# KiCad board boatcontrol.kicad_pcb (continued)
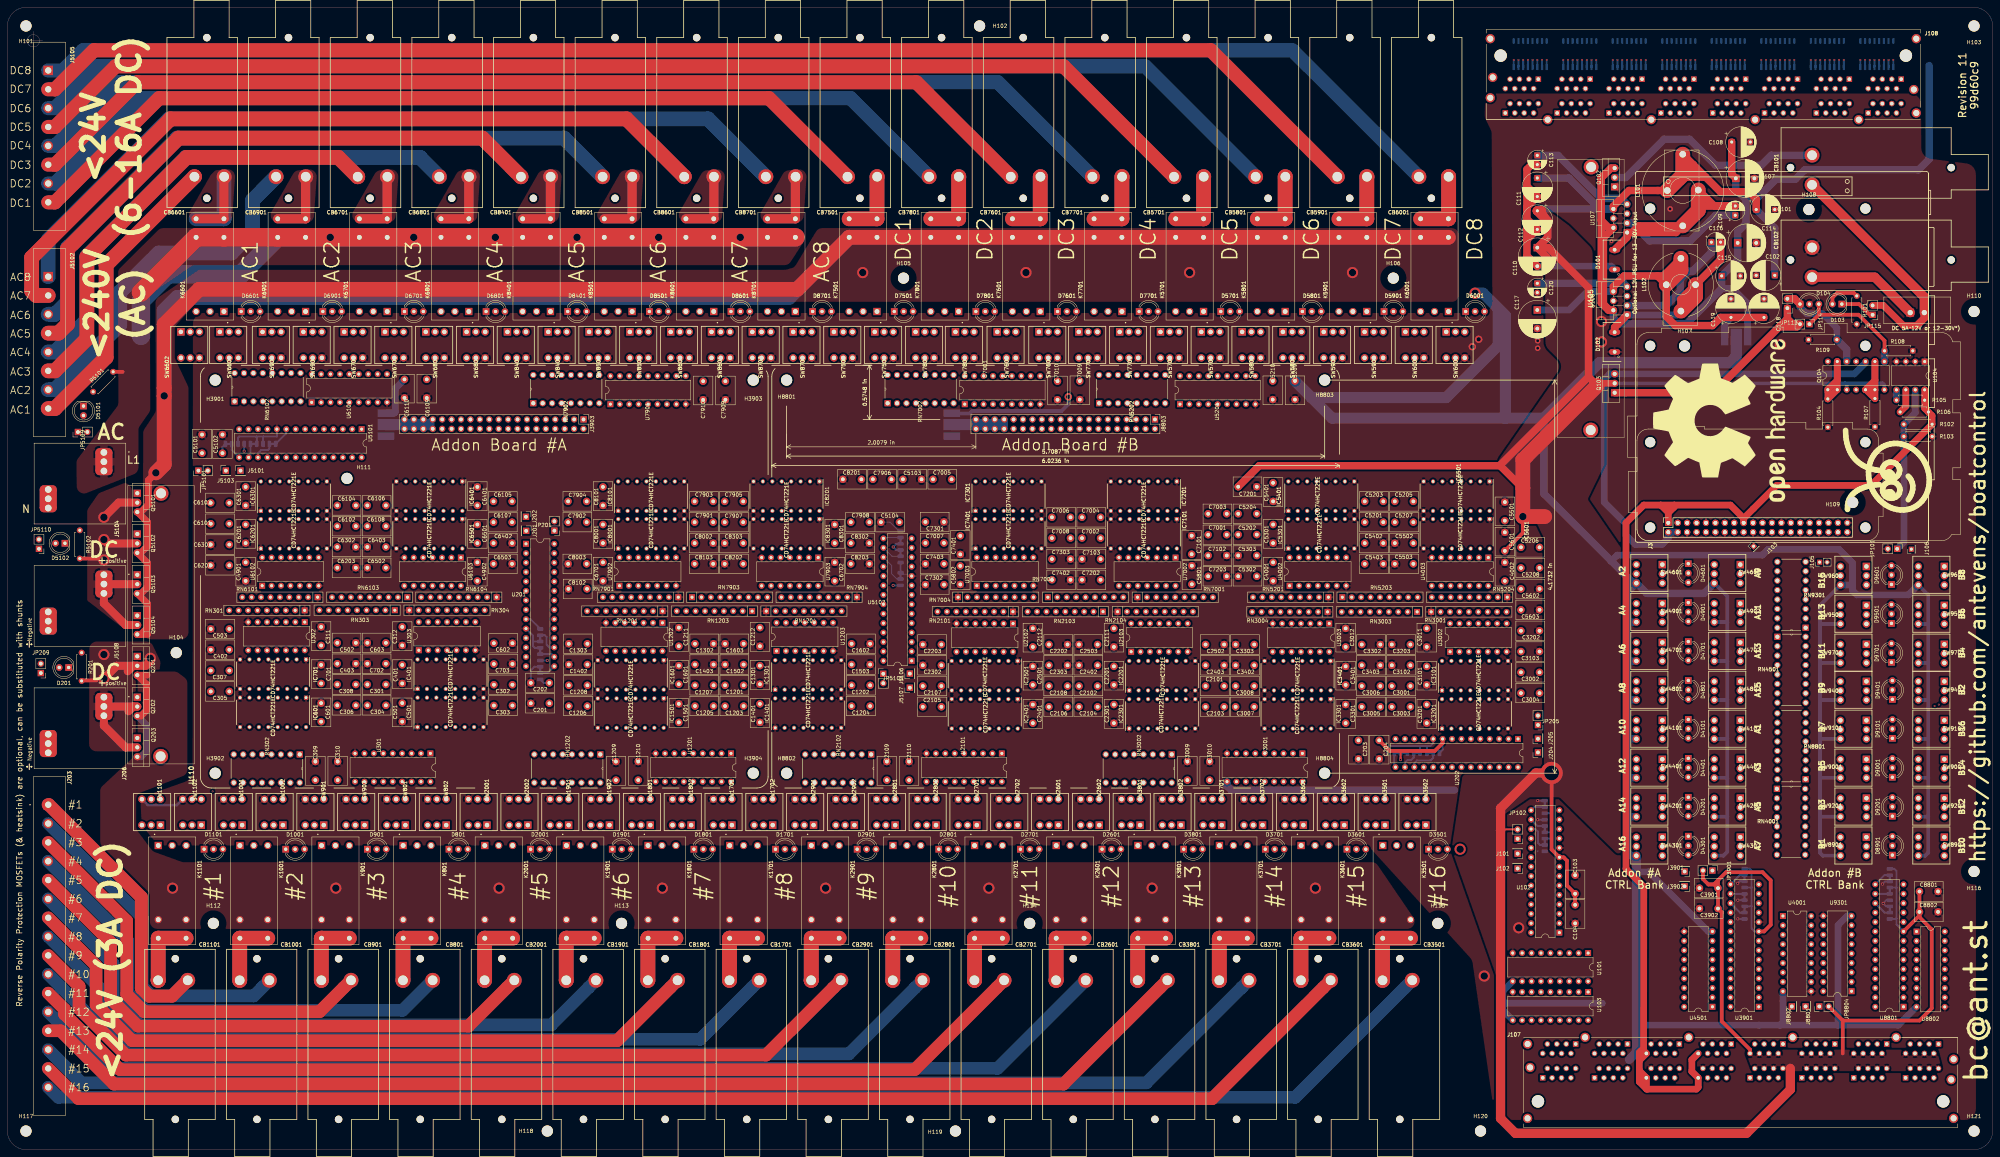
[diagram p0: board, top side]
## Routing (per net, layer and track width the routed paths; a pad name or vN(x,y) marks a point on that pad's centre or on a via; arc(x,y) is an arc through that point) (continued)
/12V DC Common Bank/12V DC Block 4/3AC3/OFF_LED: length 67.6
  In2.Cu w0.25: D3601.3 364.8,82.28 359.8,82.28 358.17,80.65 347.37,80.65 347.3,80.72 347.3,81.83 339.26,89.88 330.38,89.88 329.38,90.88 320.54,90.88 318.04,93.38 318.04,94.75 316.91,95.88 312.9,95.88 311.54,97.23 310.41,97.23 RN3002.14
/12V DC Common Bank/12V DC Block 4/3AC3/OFF_TO_ON: length 16.5
  In1.Cu w1: SW3602.1 360.25,87.59 355.09,92.75 348.5,92.75 SW3601.5
/12V DC Common Bank/12V DC Block 4/3AC3/ON: length 18.3
  In1.Cu w0.25: U3001.16 346.76,96.38 358.37,96.38 SW3602.4
/12V DC Common Bank/12V DC Block 4/3AC3/ON_COIL: length 58.1
  In1.Cu w1: K3601.1 346.75,83.9 SW3601.2
  In2.Cu w0.25: SW3601.2 343.87,90.38 330.59,90.38 329.59,91.38 320.75,91.38 318.54,93.58 318.54,94.95 317.12,96.38 313.1,96.38 311.75,97.73 310.66,97.73 310.03,98.36 310.03,102.7 RN3002.4
/12V DC Common Bank/12V DC Block 4/3AC3/ON_LED: length 64.4
  In2.Cu w0.25: D3601.1 359.85,81 359,80.15 347.17,80.15 346.8,80.52 346.8,81.63 339.05,89.38 330.17,89.38 329.17,90.38 320.33,90.38 317.83,92.88 310.84,92.88 309.87,93.84 309.87,94.75 306.16,98.46 RN3002.13
/12V DC Common Bank/12V DC Block 4/3AC3/ON_TO_OFF: length 23.9
  In1.Cu w1: SW3601.1 351.25,87.5 353,85.75 361.85,85.75 362,85.9 362,90.25 SW3602.5
/12V DC Common Bank/12V DC Block 4/3AC3/TO_FUSE: length 37.7
  Top w4: CB3601.P1 348.6,56.95 K3601.4 K3601.5
  Bottom w4: K3601.5 K3601.4 348.6,56.95 CB3601.P1
/12V DC Common Bank/12V DC Block 4/3AC4/DISABLED_INDICATOR: length 12.4
  In1.Cu w1: SW3501.3 368,89.25 375.5,89.25 SW3502.3
/12V DC Common Bank/12V DC Block 4/3AC4/OFF: length 26.7
  In1.Cu w0.25: SW3501.4 368.87,96.88 348.8,96.88 U3001.17
/12V DC Common Bank/12V DC Block 4/3AC4/OFF_COIL: length 82.2
  In2.Cu w0.25: SW3502.2 379.75,89.96 373.34,96.38 329.78,96.38 327.5,98.65 327.5,98.87 324.87,101.51 317.75,101.51 313.78,105.48 RN3002.1
  In2.Cu w1: SW3502.2 379.75,83.6 K3501.8
/12V DC Common Bank/12V DC Block 4/3AC4/OFF_LED: length 84.8
  In1.Cu w0.25: D3501.3 386.7,82.38 381.9,82.38 v4(380.64,81.11)
  In2.Cu w0.25: RN3002.16 314.83,97.9 317.71,97.9 320.04,95.57 320.04,94.2 321.37,92.88 330.21,92.88 330.58,92.5 340.1,92.5 340.38,92.78 341.12,92.78 342.52,91.38 359.76,91.38 363.5,87.63 363.5,86.52 369.37,80.65 380.17,80.65 v4(380.64,81.11)
/12V DC Common Bank/12V DC Block 4/3AC4/OFF_TO_ON: length 16.4
  In1.Cu w1: SW3501.5 370.5,92.75 377,92.75 SW3502.1
/12V DC Common Bank/12V DC Block 4/3AC4/ON: length 35.2
  In1.Cu w0.25: U3001.18 350.84,97.38 379.37,97.38 SW3502.4
/12V DC Common Bank/12V DC Block 4/3AC4/ON_COIL: length 72.7
  In1.Cu w1: SW3501.2 368.75,83.9 K3501.1
  In2.Cu w0.25: RN3002.2 316.8,101 316.81,101.01 324.66,101.01 327,98.66 327,98.44 329.57,95.88 361.79,95.88 368.75,88.91 SW3501.2
/12V DC Common Bank/12V DC Block 4/3AC4/ON_LED: length 81.3
  In2.Cu w0.25: D3501.1 381.85,81 381,80.15 369.17,80.15 363,86.32 363,87.43 359.55,90.88 330.79,90.88 329.79,91.88 320.95,91.88 319.04,93.79 319.04,95.16 317.32,96.88 313.31,96.88 RN3002.15
/12V DC Common Bank/12V DC Block 4/3AC4/ON_TO_OFF: length 23.9
  In1.Cu w1: SW3502.5 384,90.25 384,85.9 383.85,85.75 375,85.75 373.25,87.5 SW3501.1
/12V DC Common Bank/12V DC Block 4/3AC4/TO_FUSE: length 37.7
  Top w4: K3501.5 K3501.4 370.6,56.95 CB3501.P1
  Bottom w4: K3501.5 K3501.4 370.6,56.95 CB3501.P1
/12V DC Common Bank/12V DC Block 4/DIG_OFF_C1: length 48.7
  In1.Cu w0.25: U3002.4 395.53,133.36 395.53,131.22 390.5,126.2 v4(390.5,115.1) ; U202.22 391.85,103.14 v4(391.85,105.5)
  In2.Cu w0.25: U3002.4 392.6,138.07 392.6,143.72 RN3001.4 ; v4(391.85,105.5) 393.1,106.75 393.1,111.5 392.45,112.15 391.4,112.15 390.5,113.05 v4(390.5,115.1)
/12V DC Common Bank/12V DC Block 4/DIG_OFF_C2: length 78.9
  In1.Cu w0.25: U202.24 v4(401.49,107.66) ; U3002.12 395.15,143.14 395.15,145.75 395.75,146.35 402.67,146.35 RN3001.9
  In2.Cu w0.25: v4(401.49,107.66) 408.14,107.66 409.2,108.72 409.2,116.97 410.21,117.97 410.21,134.88 407.94,137.15 401.85,137.15 397.7,141.3 397.7,142.35 399.05,143.7 402.72,143.7 RN3001.9
/12V DC Common Bank/12V DC Block 4/DIG_OFF_C3: length 104.3
  In1.Cu w0.25: U202.26 405.41,106.5 405.85,106.5 409,109.65 409,112.82 v4(408.29,113.54) ; RN3004.4 348.61,144.55 U3003.4 350.01,140.45 357.11,140.45 359.06,142.4 365.86,142.4 368,140.26 368,124.26 371.73,120.53 v4(371.73,116.62)
  In2.Cu w0.25: v4(408.29,113.54) 404.95,116.88 399.2,116.88 398.04,118.03 385.51,118.03 384.61,117.12 381.88,117.12 380.51,115.75 375.91,115.75 374.41,117.25 372.35,117.25 v4(371.73,116.62)
/12V DC Common Bank/12V DC Block 4/DIG_OFF_C4: length 112.6
  In1.Cu w0.25: U202.28 410,106.01 410,113.67 v4(408.31,115.36) ; v4(376.66,117.22) 375.43,115.99 371.42,115.99 370.64,116.77 363.68,116.77 362.3,118.15 362.3,135.84 361.22,136.93 353.85,136.93 U3003.12
  In2.Cu w0.25: v4(408.31,115.36) 405.8,117.88 399.61,117.88 398.46,119.03 385.1,119.03 384.19,118.12 381.47,118.12 380.09,116.75 377.13,116.75 v4(376.66,117.22) ; U3003.12 349.63,135.75 346.75,135.75 345.8,136.7 345.8,139.58 344.8,140.58 344.8,142.7 344.1,143.4 342.14,143.4 RN3004.7
/12V DC Common Bank/12V DC Block 4/DIG_ON_C1: length 45.6
  In1.Cu w0.25: v4(387.9,115.1) 387.9,132.3 388.8,133.2 U3002.1 ; U202.21 389.35,103.14 v4(389.35,105.5)
  In2.Cu w0.25: U3002.1 388.8,138.7 386.24,141.26 RN3001.2 ; v4(387.9,115.1) 387.9,113.15 388.8,112.25 389.9,112.25 390.6,111.55 390.6,106.75 v4(389.35,105.5)
/12V DC Common Bank/12V DC Block 4/DIG_ON_C2: length 60.8
  In1.Cu w0.25: RN3001.7 401.5,142.44 U3002.9 ; 394.45,103.16 U202.23 v4(398.32,107.03)
  In2.Cu w0.25: U3002.9 405.72,137.65 408.14,137.65 410.71,135.08 410.71,117.77 409.7,116.76 409.7,108.51 408.22,107.03 v4(398.32,107.03)
/12V DC Common Bank/12V DC Block 4/DIG_ON_C3: length 100.8
  In1.Cu w0.25: U202.25 403.37,107 405.64,107 408.5,109.86 408.5,112.4 v4(408.25,112.65) ; RN3004.2 356.23,142.01 U3003.1 357.28,141.85 358.33,142.9 366.07,142.9 368.5,140.47 368.5,124.46 370.86,122.1 373.53,122.1 374.79,120.84 374.79,118.08 373.33,116.62 v4(372.85,116.62)
  In2.Cu w0.25: v4(372.85,116.62) 374.33,116.62 375.7,115.25 380.71,115.25 382.09,116.62 384.81,116.62 385.72,117.53 397.83,117.53 398.99,116.38 404.52,116.38 v4(408.25,112.65)
/12V DC Common Bank/12V DC Block 4/DIG_ON_C4: length 116.8
  In1.Cu w0.25: U202.27 409.5,108.05 409.5,113.25 v4(408.33,114.43) ; U3003.9 343.53,135.36 345.6,137.43 361.43,137.43 362.8,136.05 362.8,118.36 363.76,117.4 v4(371.08,117.4)
  In2.Cu w0.25: RN3004.9 343.53,136.93 U3003.9 ; v4(408.33,114.43) 405.37,117.38 399.4,117.38 398.25,118.53 385.3,118.53 384.4,117.62 381.68,117.62 380.3,116.25 376.11,116.25 374.62,117.75 371.43,117.75 v4(371.08,117.4)
/12V DC Common Bank/12V DC Block 4/MultiVibrator3A1/MUX_OFF: length 97.3
  In1.Cu w0.25: 408.3,116.35 v4(408.35,116.3) 410.76,113.89 410.76,105.03 407.67,101.95 364.91,101.95 357.98,108.88 352.12,108.88 351.25,108.01 347.64,108.01 U3001.2
  In2.Cu w0.25: IC3101.5 398,122.61 398,120.9 399.65,119.25 405.4,119.25 v4(408.35,116.3)
/12V DC Common Bank/12V DC Block 4/MultiVibrator3A1/MUX_ON: length 103.5
  In1.Cu w0.25: U3001.1 350.78,106.83 352.32,108.38 357.78,108.38 364.71,101.45 407.88,101.45 411.26,104.83 411.26,114.32 v4(408.39,117.19)
  In2.Cu w0.25: IC3101.13 400.6,125.41 400.6,120.9 401.75,119.75 405.82,119.75 v4(408.39,117.19)
/12V DC Common Bank/12V DC Block 4/MultiVibrator3A1/R1: length 45.8
  In1.Cu w0.25: C3001.1 376.22,126.88 376.22,139.24 378.55,141.56 378.55,145.7 378.05,146.2 373.5,146.2 RN3003.4
  In2.Cu w0.25: C3001.1 381.15,128.05 387.98,128.05 IC3101.14
/12V DC Common Bank/12V DC Block 4/MultiVibrator3A1/R2: length 57.1
  In1.Cu w0.25: v4(376.01,123.58) 375.22,124.37 375.22,143.56 374.83,143.95 RN3003.3 ; C3002.1 404.19,128.7 IC3101.6
  In2.Cu w0.25: IC3101.6 398.52,123.83 397.14,125.21 385.42,125.21 383.79,123.58 v4(376.01,123.58)
/12V DC Common Bank/12V DC Block 4/MultiVibrator3A1/RC1: length 18.9
  In2.Cu w0.25: IC3101.15 386.04,128.65 376.75,128.65 C3001.2
/12V DC Common Bank/12V DC Block 4/MultiVibrator3A1/RC2: length 13.1
  In1.Cu w0.25: C3002.2 409.85,125.65 403.68,125.65 IC3101.7
/12V DC Common Bank/12V DC Block 4/MultiVibrator3A2/MUX_OFF: length 67.8
  In2.Cu w0.25: U3001.4 342.79,105.43 344.68,105.43 345.2,105.95 345.2,107.7 345.99,108.49 352.79,108.49 355.3,111 355.3,114.08 358.09,116.88 362.39,116.88 365.64,113.62 383.16,113.62 386.56,117.03 393.28,117.03 IC3201.5
/12V DC Common Bank/12V DC Block 4/MultiVibrator3A2/MUX_ON: length 60.7
  In2.Cu w0.25: U3001.3 343.92,107.96 344.94,108.99 351.89,108.99 352.74,109.84 352.74,114.06 356.55,117.88 366.03,117.88 366.05,117.9 366.06,117.9 371.05,122.89 392.82,122.89 IC3201.13
/12V DC Common Bank/12V DC Block 4/MultiVibrator3A2/R1: length 42.8
  In1.Cu w0.25: RN3003.2 375.72,143.35 375.72,124.88 378.1,122.5 C3003.1
  In2.Cu w0.25: IC3201.14 390.26,120.03 384.96,120.03 383.62,121.38 380.08,121.38 C3003.1
/12V DC Common Bank/12V DC Block 4/MultiVibrator3A2/R2: length 70.9
  In1.Cu w0.25: v4(376.5,120.7) 374.72,122.48 374.72,140.03 RN3003.5 ; C3004.1 v4(403.43,118.62) 399.32,114.52 IC3201.6
  In2.Cu w0.25: v4(403.43,118.62) 399.57,118.62 398.66,119.53 384.89,119.53 383.99,118.62 381.26,118.62 379.89,117.25 378.24,117.25 376.5,118.99 v4(376.5,120.7)
/12V DC Common Bank/12V DC Block 4/MultiVibrator3A2/RC1: length 18.1
  In2.Cu w0.25: C3003.2 375.66,121.96 383.74,121.96 385.17,120.53 388.22,120.53 IC3201.15
/12V DC Common Bank/12V DC Block 4/MultiVibrator3A2/RC2: length 15
  In1.Cu w0.25: C3004.2 411.43,123.1 IC3201.7
/12V DC Common Bank/12V DC Block 4/MultiVibrator3A3/MUX_OFF: length 19.1
  In1.Cu w0.25: U3001.6 339.02,109.55 339.45,109.55 342.6,112.7 342.6,117.65 IC3301.5
/12V DC Common Bank/12V DC Block 4/MultiVibrator3A3/MUX_ON: length 12.9
  In1.Cu w0.25: IC3301.13 345.58,110.15 342.16,110.15 U3001.5
/12V DC Common Bank/12V DC Block 4/MultiVibrator3A3/R1: length 48.9
  In1.Cu w0.25: v4(369.5,141.4) 368.27,141.4 RN3003.7
  In2.Cu w0.25: IC3301.14 356.59,118.62 362.81,118.62 363.59,119.4 C3005.1 366.85,119.4 371.55,124.1 371.55,139.35 v4(369.5,141.4)
/12V DC Common Bank/12V DC Block 4/MultiVibrator3A3/R2: length 45.1
  In2.Cu w0.25: RN3003.6 367.21,127.22 C3006.1 363.09,125 361.04,122.95 360.24,122.95 358.4,121.11 358.4,120.78 357.39,119.77 345.58,119.77 IC3301.6
/12V DC Common Bank/12V DC Block 4/MultiVibrator3A3/RC1: length 18.4
  In2.Cu w0.25: IC3301.15 357.88,117.38 367.98,117.38 C3005.2
/12V DC Common Bank/12V DC Block 4/MultiVibrator3A3/RC2: length 32.1
  In2.Cu w0.25: IC3301.7 343.54,119.27 357.6,119.27 358.9,120.57 358.9,120.9 360.45,122.45 367.45,122.45 C3006.2
/12V DC Common Bank/12V DC Block 4/MultiVibrator3A4/MUX_OFF: length 31.2
  In1.Cu w0.25: U3001.8 331.22,107.96 340.05,116.79 340.05,125.4 IC3401.5
/12V DC Common Bank/12V DC Block 4/MultiVibrator3A4/MUX_ON: length 26.6
  In1.Cu w0.25: IC3401.13 347.83,122.7 345.75,122.7 345.15,122.1 345.15,120.91 344.49,120.25 340.9,120.25 340.55,119.9 340.55,116.59 340.1,116.14 340.1,113.17 U3001.7
/12V DC Common Bank/12V DC Block 4/MultiVibrator3A4/R1: length 62.2
  In1.Cu w0.25: IC3401.14 352.8,122.53 352.8,120.3 v4(349.5,117)
  In2.Cu w0.25: IC3401.14 351.5,123.03 352.82,121.71 352.82,120.73 353.28,120.27 357.18,120.27 357.9,120.99 357.9,121.31 360.04,123.45 360.84,123.45 366.38,128.99 366.38,140.76 RN3003.8 ; C3007.1 338.4,117 v4(349.5,117)
/12V DC Common Bank/12V DC Block 4/MultiVibrator3A4/R2: length 37.3
  In1.Cu w0.25: v4(347.35,136.5) 347.35,133.45 346.75,132.85 344.96,132.85 IC3401.6 342.77,131.77 C3008.1
  In2.Cu w0.25: v4(347.35,136.5) 347.35,142.7 347.95,143.3 357.89,143.3 RN3003.9
/12V DC Common Bank/12V DC Block 4/MultiVibrator3A4/RC1: length 32.2
  In1.Cu w0.25: IC3401.15 355.3,122.57 355.3,119.25 352.05,116 v4(351,116)
  In2.Cu w0.25: v4(351,116) 334.4,116 C3007.2
/12V DC Common Bank/12V DC Block 4/MultiVibrator3A4/RC2: length 13.1
  In1.Cu w0.25: C3008.2 334.1,128.1 337.67,128.1 IC3401.7
/12V DC Common Bank/12V DC Block 4/OUT_C1: length 319.2
  Top w3.4: CB3801.P2 284.6,17.65 28.72,17.65 14.34,32.04 J203.13
/12V DC Common Bank/12V DC Block 4/OUT_C2: length 338.8
  Bottom w3.4: CB3701.P2 306.94,17.99 19.97,17.99 J203.14
/12V DC Common Bank/12V DC Block 4/OUT_C3: length 362.2
  Top w3.4: CB3601.P2 324.69,13.74 19.14,13.74 J203.15
/12V DC Common Bank/12V DC Block 4/OUT_C4: length 381.8
  Bottom w3.4: J203.16 13.71,14.09 347.04,14.09 CB3501.P2
/A1: length 8.7
  In2.Cu w0.25: J108.P_1 413.57,288.65 414.85,289.93 v8(414.85,293.85)
  Bottom w0.508: v8(414.85,293.85) RN101.1
/A2: length 8.7
  In2.Cu w0.25: J108.P_3 413.57,292.19 v8(413.57,293.85)
  Bottom w0.508: v8(413.57,293.85) RN101.2
/A3: length 9.2
  In2.Cu w0.25: v8(412.31,293.85) 412.31,293.45 J108.P_5
  Bottom w0.508: v8(412.31,293.85) RN101.3
/A4: length 10.2
  In2.Cu w0.25: J108.P_7 407.66,291.35 408.53,291.35 v8(411.04,293.85)
  Bottom w0.508: v8(411.04,293.85) 411.04,291.85
/Add-On Relay Board 1/A2C_A1: length 3.8
  Bottom w0.508: U3901.16 464.41,68.95 JP111.2
/Add-On Relay Board 1/ADDON_C1_OFF: length 59.3
  In1.Cu w0.25: J107.E_5 473.44,39.61 U3901.2
  In2.Cu w0.25: U3901.2 472,41.26 U4001.7 482.18,51.44 482.18,79.72 RN4001.10
/Add-On Relay Board 1/ADDON_C1_ON: length 56.7
  In1.Cu w0.25: U3901.1 472,29.57 J107.E_7
  In2.Cu w0.25: RN4001.9 482.68,77.68 482.68,49.4 U4001.8 472,38.72 U3901.1
/Add-On Relay Board 1/ADDON_C2_OFF: length 66.5
  In1.Cu w0.25: U3901.4 474.44,43.68 474.44,33.54 478.51,29.46 J107.E_1
  In2.Cu w0.25: U3901.4 472,46.34 U4001.5 481.18,55.52 481.18,83.8 RN4001.12
/Add-On Relay Board 1/ADDON_C2_ON: length 62.9
  In1.Cu w0.25: J107.E_3 473.94,30.51 473.94,41.64 U3901.3
  In2.Cu w0.25: U3901.3 472,43.8 U4001.6 481.68,53.48 481.68,81.76 RN4001.11
/Add-On Relay Board 1/ADDON_C3_OFF: length 79.1
  In1.Cu w0.25: J107.F_5 483.49,32.38 477.01,32.38 475.44,33.95 475.44,47.76 U3901.6
  In2.Cu w0.25: U3901.6 472,51.42 U4001.3 480.18,59.6 480.18,87.88 RN4001.14
/Add-On Relay Board 1/ADDON_C3_ON: length 75
  In1.Cu w0.25: J107.F_7 484.87,29.52 482.5,31.88 476.8,31.88 474.94,33.75 474.94,45.72 U3901.5
  In2.Cu w0.25: RN4001.13 480.68,85.84 480.68,57.56 U4001.4 472,48.88 U3901.5
/Add-On Relay Board 1/ADDON_C4_OFF: length 89.3
  In1.Cu w0.25: J107.F_1 492.49,29.46 488.56,33.38 477.42,33.38 476.44,34.37 476.44,51.84 U3901.8 472,56.55
  In2.Cu w0.25: RN4001.16 479.17,91.95 479.17,66.17 478.5,65.5 U4001.1 478.5,62.78 U3901.8
/Add-On Relay Board 1/ADDON_C4_ON: length 84.4
  In1.Cu w0.25: U3901.7 475.94,49.8 475.94,34.16 477.21,32.88 485.53,32.88 J107.F_3 489.5,29
  In2.Cu w0.25: U3901.7 472,53.96 U4001.2 479.68,61.64 479.68,89.92 RN4001.15
/Add-On Relay Board 1/ADDON_C5_OFF: length 260
  In1.Cu w0.25: U3901.22 U4501.7 457.82,55.42 457.82,59.97 440.42,77.37 438.13,77.37 437.12,78.38 437.12,158.62 439.31,160.8 447.47,160.8 447.95,161.28 466.86,161.28 468.88,159.26 468.88,152.13 476.42,144.59 477.58,144.59 478.71,143.46 478.71,128.95 RN4501.10
  In2.Cu w0.25: U3901.22 460.68,50.04 460.68,36.93 462.78,34.82 468.66,34.82 470.49,33 ; J107.G_5 496.86,33 470.5,33
/Add-On Relay Board 1/ADDON_C5_ON: length 262.2
  In1.Cu w0.25: U3901.21 U4501.8 458.32,57.46 458.32,60.18 440.63,77.87 438.34,77.87 437.62,78.59 437.62,158.41 439.52,160.3 447.68,160.3 448.15,160.78 466.65,160.78 468.38,159.05 468.38,150.09 476.42,142.05 476.5,142 477.52,142 478.21,141.3 478.21,126.91 RN4501.9
  In2.Cu w0.25: J107.G_7 494.82,32.5 470.28,32.5 468.45,34.32 462.57,34.32 459.64,37.26 458.46,37.26 458.32,37.4 458.32,51.76 458.94,52.38 460.48,52.38 U3901.21
/Add-On Relay Board 1/ADDON_C6_OFF: length 262.8
  In1.Cu w0.25: U3901.24 U4501.5 456.82,51.34 456.82,59.55 440,76.37 437.72,76.37 436.12,77.97 436.12,159.03 438.89,161.8 447.06,161.8 447.53,162.28 467.27,162.28 469.88,159.67 469.88,156.21 476.42,149.67 477.47,149.67 479.71,147.42 479.71,133.03 RN4501.12
  In2.Cu w0.25: J107.G_1 506.47,29.46 501.92,34 470.9,34 469.08,35.82 463.19,35.82 461.7,37.31 461.7,47.12 463.25,48.66 U3901.24
/Add-On Relay Board 1/ADDON_C6_ON: length 260.8
  In1.Cu w0.25: U3901.23 U4501.6 457.32,53.38 457.32,59.76 440.21,76.87 437.93,76.87 436.62,78.18 436.62,158.82 439.1,161.3 447.26,161.3 447.74,161.78 467.06,161.78 469.38,159.46 469.38,154.17 476.42,147.13 477.47,147.13 479.21,145.38 479.21,130.99 RN4501.11
  In2.Cu w0.25: J107.G_3 498.89,33.5 470.69,33.5 468.87,35.32 462.99,35.32 461.2,37.11 461.2,48.02 U3901.23
/Add-On Relay Board 1/ADDON_C7_OFF: length 267.3
  In1.Cu w0.25: U3901.26 U4501.3 455.82,47.26 455.82,59.14 439.59,75.37 437.3,75.37 435.12,77.55 435.12,159.62 438.3,162.8 446.64,162.8 447.12,163.28 467.69,163.28 476.33,154.63 477.58,154.63 480.71,151.5 480.71,137.11 RN4501.14
  In2.Cu w0.25: U3901.26 462.7,41.9 462.7,37.73 463.61,36.82 469.56,36.82 471.39,35 502.5,35 505,32.5 511.32,32.5 J107.H_5
/Add-On Relay Board 1/ADDON_C7_ON: length 268.6
  In1.Cu w0.25: U3901.25 U4501.4 456.32,49.3 456.32,59.35 439.8,75.87 437.51,75.87 435.62,77.76 435.62,159.27 435.65,159.27 438.69,162.3 446.85,162.3 447.33,162.78 467.48,162.78 470.38,159.88 470.38,158.25 476.42,152.21 477.47,152.21 480.21,149.46 480.21,135.07 RN4501.13
  In2.Cu w0.25: U3901.25 462.2,43.94 462.2,37.52 ; 462.2,37.52 463.4,36.32 ; 462.2,37.52 463.4,36.32 ; 463.4,36.32 469.35,36.32 471.18,34.5 502.13,34.5 504.63,32 510.33,32 512.82,29.52 J107.H_7
/Add-On Relay Board 1/ADDON_C8_OFF: length 270.5
  In1.Cu w0.25: U3901.28 U4501.1 459.5,39.3 454.82,43.98 454.82,58.68 439.18,74.32 439.18,74.37 436.89,74.37 434.12,77.14 434.12,160.04 437.89,163.8 446.23,163.8 446.7,164.28 470.51,164.28 474.98,159.8 477.5,159.8 481.71,155.58 481.71,141.19 RN4501.16
  In2.Cu w0.25: U3901.28 469.3,38.5 471.8,36 502.91,36 505.41,33.5 516.39,33.5 520.43,29.46 J107.H_1
/Add-On Relay Board 1/ADDON_C8_ON: length 269.2
  In1.Cu w0.25: U3901.27 U4501.2 455.32,45.22 455.32,58.93 439.38,74.87 437.1,74.87 434.62,77.35 434.62,159.83 438.09,163.3 446.44,163.3 446.91,163.78 467.89,163.78 474.49,157.17 477.58,157.17 481.21,153.54 481.21,139.15 RN4501.15
  In2.Cu w0.25: J107.H_3 513.36,33 505.21,33 502.71,35.5 471.59,35.5 469.77,37.32 463.82,37.32 463.2,37.94 463.2,39.86 U3901.27
/Add-On Relay Board 1/I2C_A0: length 4.8
  Bottom w0.508: U3901.15 466.91,74.05 JP112.2
/Add-On Relay Board 1/I2C_A2: length 4.8
  Bottom w0.508: U3901.17 466.92,63.9 JP109.2
/Add-On Relay Board 1/INT_A: length 22
  In1.Cu w0.25: U3901.19 461.74,61.36 459,64.1 459,70.8 457.1,72.7 455.4,72.7 453.1,75 J3901.1
/Add-On Relay Board 1/INT_B: length 20.2
  In1.Cu w0.25: J3902.1 452,69.9 454.1,67.8 456.9,67.8 458.1,66.6 458.1,63 462.28,58.82 U3901.20
/Add-On Relay Board 1/MixedBlock1/MixedControl1/DIG_OFF: length 88.8
  In1.Cu w0.25: v4(477.5,71.1) 480,68.6 481.14,68.6 484.94,64.8 484.94,61.64 U4001.17
  In2.Cu w0.25: v4(477.5,71.1) 475.86,72.74 475.86,74.18 473.79,76.25 464.87,76.25 464,77.12 464,104.5 460.5,108 446.75,108 SW4101.4
/Add-On Relay Board 1/MixedBlock1/MixedControl1/DIG_ON: length 70.1
  In1.Cu w0.25: U4001.18 486.12,64.33 481.35,69.1 480.5,69.1 v4(477.5,72.1)
  In2.Cu w0.25: SW4102.4 461.41,115.75 464.5,112.66 464.5,77.33 465.08,76.75 473.99,76.75 476.36,74.38 476.36,73.24 v4(477.5,72.1)
/Add-On Relay Board 1/MixedBlock1/MixedControl1/DISABLED_INDICATOR: length 32.5
  In1.Cu w0.25: SW4101.3 444.62,112.13 444.62,117.05 445.35,117.78 459.97,117.78 SW4102.3
/Add-On Relay Board 1/MixedBlock1/MixedControl1/OFF_LED: length 32.5
  In1.Cu w0.25: D4101.3 455.05,108.87 466.05,108.87 468.38,106.55 468.38,103.24 RN4001.2
/Add-On Relay Board 1/MixedBlock1/MixedControl1/OFF_TO_ON: length 16.3
  In1.Cu w0.25: SW4102.5 455.97,117.28 448.78,117.28 447.25,115.75 SW4101.1
/Add-On Relay Board 1/MixedBlock1/MixedControl1/ON_LED: length 33.5
  In1.Cu w0.25: RN4001.1 475.79,97.28 468.88,104.2 468.88,106.76 466.26,109.37 458.97,109.37 453.5,114.85 453.5,115.5 D4101.1
/Add-On Relay Board 1/MixedBlock1/MixedControl1/ON_TO_OFF: length 31.1
  In1.Cu w0.25: SW4102.1 462.71,115.75 460.18,118.28 444.03,118.28 SW4101.5
/Add-On Relay Board 1/MixedBlock1/MixedControl2/DIG_OFF: length 83.5
  In1.Cu w0.25: U4001.15 483.94,57.56 483.94,64.38 480.73,67.6 479,67.6 v4(477.5,69.1)
  In2.Cu w0.25: SW4401.4 446.6,97.65 460.1,97.65 463,94.75 463,76.71 464.46,75.25 473.37,75.25 474.86,73.76 474.86,71.74 v4(477.5,69.1)
/Add-On Relay Board 1/MixedBlock1/MixedControl2/DIG_ON: length 64.2
  In1.Cu w0.25: v4(477.5,70.1) 479.5,68.1 480.94,68.1 484.44,64.59 484.44,59.6 U4001.16
  In2.Cu w0.25: v4(477.5,70.1) 475.36,72.24 475.36,73.97 473.58,75.75 464.66,75.75 463.5,76.91 463.5,101.75 SW4402.4
/Add-On Relay Board 1/MixedBlock1/MixedControl2/DISABLED_INDICATOR: length 32.5
  In1.Cu w0.25: SW4402.3 459.97,107.28 445.35,107.28 444.62,106.55 444.62,101.63 SW4401.3
/Add-On Relay Board 1/MixedBlock1/MixedControl2/OFF_LED: length 28.3
  In1.Cu w0.25: D4401.3 455.05,98.37 468.17,98.37 RN4001.4
/Add-On Relay Board 1/MixedBlock1/MixedControl2/OFF_TO_ON: length 16.3
  In1.Cu w0.25: SW4402.5 455.97,106.78 448.78,106.78 447.25,105.25 SW4401.1
/Add-On Relay Board 1/MixedBlock1/MixedControl2/ON_LED: length 29.6
  In1.Cu w0.25: D4401.1 453,105.21 459.34,98.87 470.21,98.87 RN4001.3
/Add-On Relay Board 1/MixedBlock1/MixedControl2/ON_TO_OFF: length 31.1
  In1.Cu w0.25: SW4401.5 444.03,107.78 460.18,107.78 462.71,105.25 SW4402.1
/Add-On Relay Board 1/MixedBlock1/MixedControl3/DIG_OFF: length 78.1
  In1.Cu w0.25: U4001.13 482.94,53.48 482.94,63.97 480.31,66.6 478,66.6 v4(477.5,67.1)
  In2.Cu w0.25: SW4201.4 446.95,86.8 459.55,86.8 462,84.35 462,76.29 464.04,74.25 464,74.3 464.05,74.25 472.96,74.25 473.86,73.35 473.86,70.74 v4(477.5,67.1)
/Add-On Relay Board 1/MixedBlock1/MixedControl3/DIG_ON: length 59.1
  In1.Cu w0.25: v4(477.5,68.1) 478.5,67.1 480.52,67.1 483.44,64.18 483.44,55.52 U4001.14
  In2.Cu w0.25: SW4202.4 462.5,92.25 462.5,76.5 464.25,74.75 473.16,74.75 474.36,73.56 474.36,71.24 v4(477.5,68.1)
/Add-On Relay Board 1/MixedBlock1/MixedControl3/DISABLED_INDICATOR: length 32.5
  In1.Cu w0.25: SW4202.3 459.97,96.78 445.35,96.78 444.62,96.05 444.62,91.38 446,90 SW4201.3
/Add-On Relay Board 1/MixedBlock1/MixedControl3/OFF_LED: length 26.1
  In1.Cu w0.25: D4201.3 455.05,87.87 473.59,87.87 RN4001.6
/Add-On Relay Board 1/MixedBlock1/MixedControl3/OFF_TO_ON: length 16.3
  In1.Cu w0.25: SW4202.5 455.97,96.28 448.78,96.28 447.25,94.75 SW4201.1
/Add-On Relay Board 1/MixedBlock1/MixedControl3/ON_LED: length 27.3
  In1.Cu w0.25: D4201.1 453,94.71 459.34,88.37 475.63,88.37 RN4001.5
/Add-On Relay Board 1/MixedBlock1/MixedControl3/ON_TO_OFF: length 31.9
  In1.Cu w0.25: SW4201.5 444.03,97.28 465.72,97.28 467,96 SW4202.1
/Add-On Relay Board 1/MixedBlock1/MixedControl4/DIG_OFF: length 71.9
  In1.Cu w0.25: U4001.11 481.94,49.4 481.94,63.56 480.4,65.1 v4(477.5,65.1)
  In2.Cu w0.25: v4(477.5,65.1) 476.87,65.73 476.87,66.02 472.64,70.25 471.25,70.25 468.25,73.25 463.63,73.25 460.87,76 460.87,76.25 460.08,77.05 446.2,77.05 SW4301.4
/Add-On Relay Board 1/MixedBlock1/MixedControl4/DIG_ON: length 54.1
  In1.Cu w0.25: U4001.12 482.44,51.44 482.44,63.76 480.11,66.1 v4(477.5,66.1)
  In2.Cu w0.25: v4(477.5,66.1) 473.36,70.24 473.36,73.14 472.75,73.75 463.83,73.75 461.38,76.21 461.38,82.87 SW4302.4
/Add-On Relay Board 1/MixedBlock1/MixedControl4/DISABLED_INDICATOR: length 32.5
  In1.Cu w0.25: SW4302.3 459.97,86.28 445.35,86.28 444.62,85.55 444.62,80.63 SW4301.3
/Add-On Relay Board 1/MixedBlock1/MixedControl4/OFF_LED: length 26.3
  In1.Cu w0.25: D4301.3 455.05,77.37 467.87,77.37 468.49,78 468.5,78 470.84,80.34 476.04,80.34 RN4001.8
/Add-On Relay Board 1/MixedBlock1/MixedControl4/OFF_TO_ON: length 16.3
  In1.Cu w0.25: SW4302.5 455.97,85.78 448.78,85.78 447.25,84.25 SW4301.1
/Add-On Relay Board 1/MixedBlock1/MixedControl4/ON_LED: length 28.5
  In1.Cu w0.25: D4301.1 453,84.21 459.34,77.87 467.66,77.87 471.83,82.04 RN4001.7
/Add-On Relay Board 1/MixedBlock1/MixedControl4/ON_TO_OFF: length 31.1
  In1.Cu w0.25: SW4302.1 462.75,84.25 460.22,86.78 444.03,86.78 SW4301.5
/Add-On Relay Board 1/MixedBlock1/OFF_SIGNAL_1: length 480.7
  In1.Cu w0.25: v4(135.4,199.85) 132.45,196.9 J3903.19
  In1.Cu w2: J3903.19 J3903.20
  In2.Cu w0.25: SW4101.2 447.41,113.25 452.46,118.3 459.9,118.3 465.2,113 465.2,109.35 466,108.55 468.3,108.55 472.5,112.75 472.5,160.04 475.18,162.72 484.22,162.72 486.96,165.46 486.96,169.83 479.79,177 435.26,177 422.14,190.13 313.21,190.13 311.72,188.63 276.6,188.63 275.61,189.62 251.25,189.62 244.33,196.55 232.08,196.55 228.81,199.82 187.04,199.82 183.94,202.92 153.97,202.92 153.15,202.1 153.15,200.74 152.18,199.77 147.81,199.77 147.26,199.22 140.67,199.22 140.04,199.85 v4(135.4,199.85)
/Add-On Relay Board 1/MixedBlock1/OFF_SIGNAL_2: length 501.9
  In1.Cu w0.25: v4(130.35,199.9) 127.35,196.9 J3903.23 ; v4(468,97) 467.22,97.78 450.97,97.78 SW4401.2
  In1.Cu w2: J3903.23 J3903.24
  In2.Cu w0.25: v4(468,97) 468.38,97.38 468.38,102 473.5,107.13 473.5,159.62 475.59,161.71 488.09,161.71 492.05,165.67 492.05,169.82 483.87,178 446.66,178 435.68,178 422.55,191.13 312.79,191.13 311.3,189.63 277.01,189.63 276.02,190.62 251.67,190.62 244.74,197.55 232.49,197.55 229.22,200.82 199.57,200.82 196.47,203.92 149.77,203.92 148.05,202.2 148.05,200.72 147.05,199.72 140.88,199.72 139.6,201 131.45,201 v4(130.35,199.9)